# KiCad board Rotonometron_V2.kicad_pcb
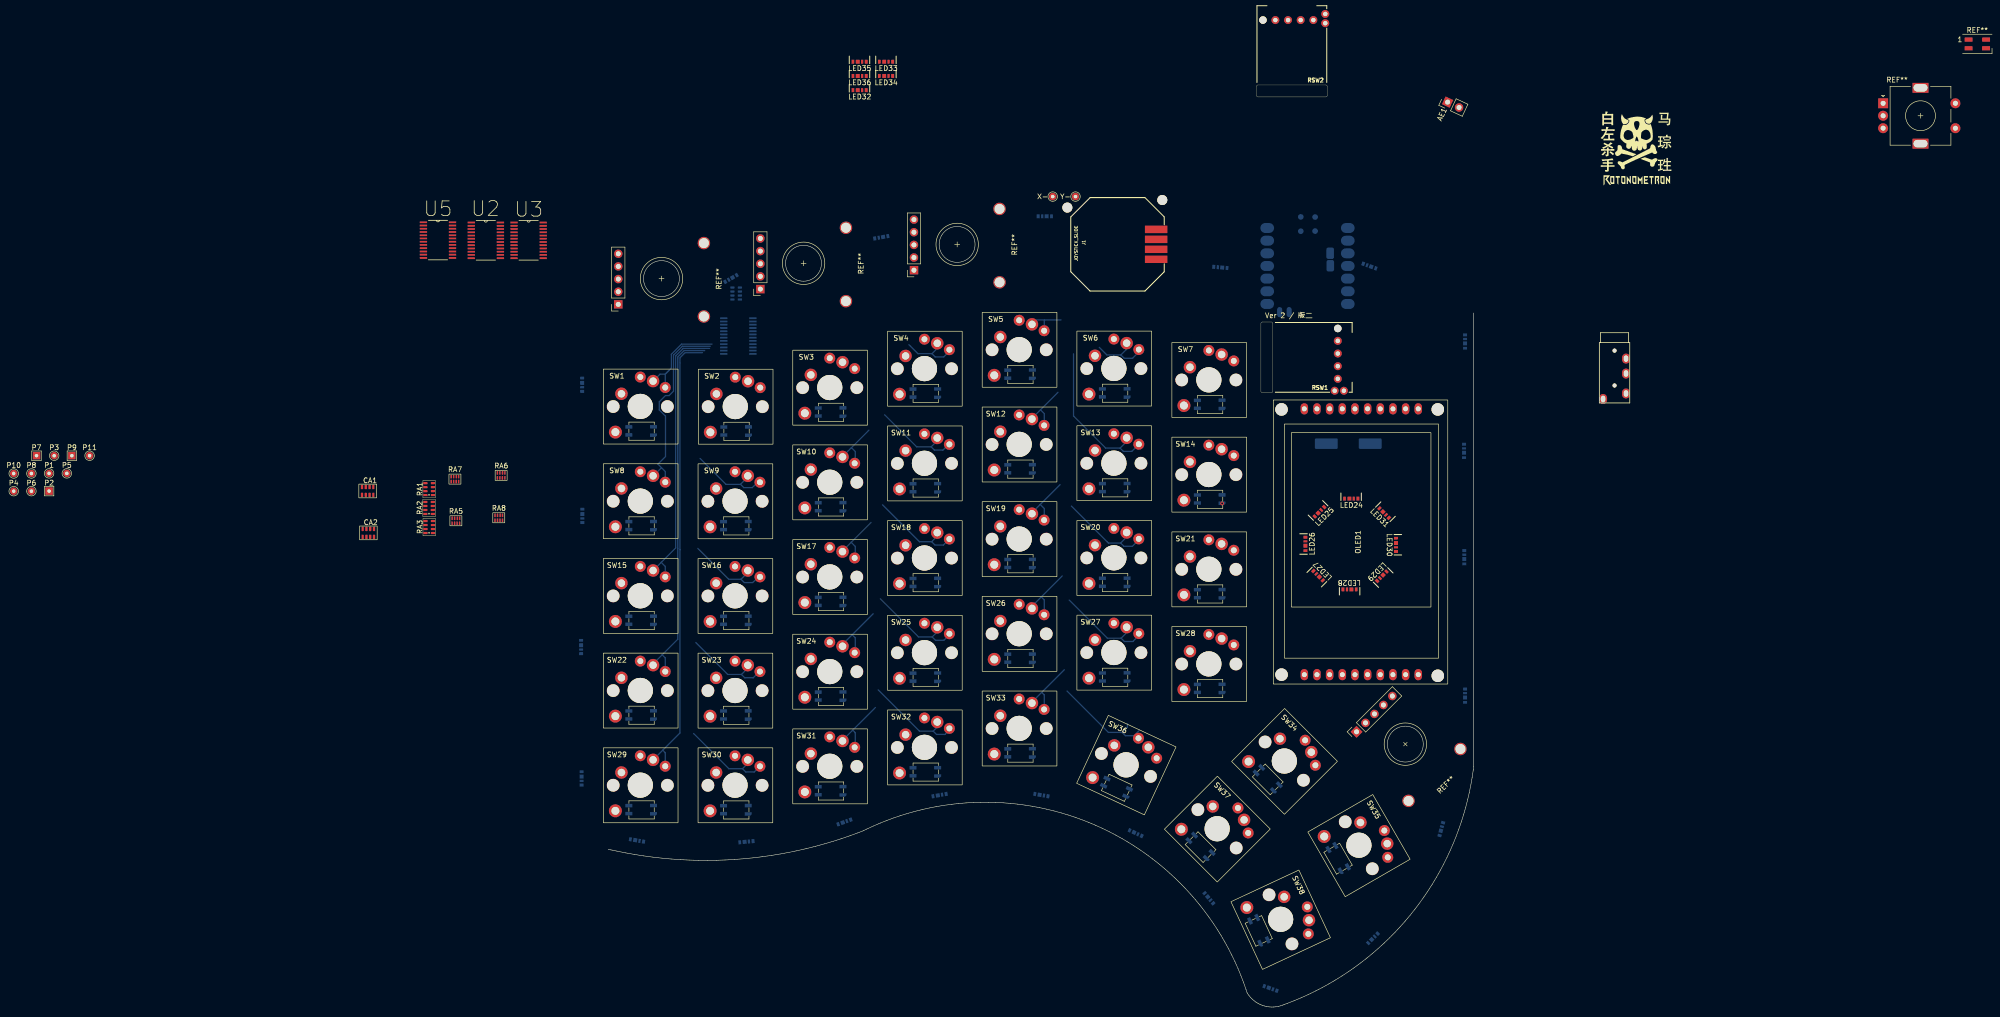
[diagram p0: board, top side]
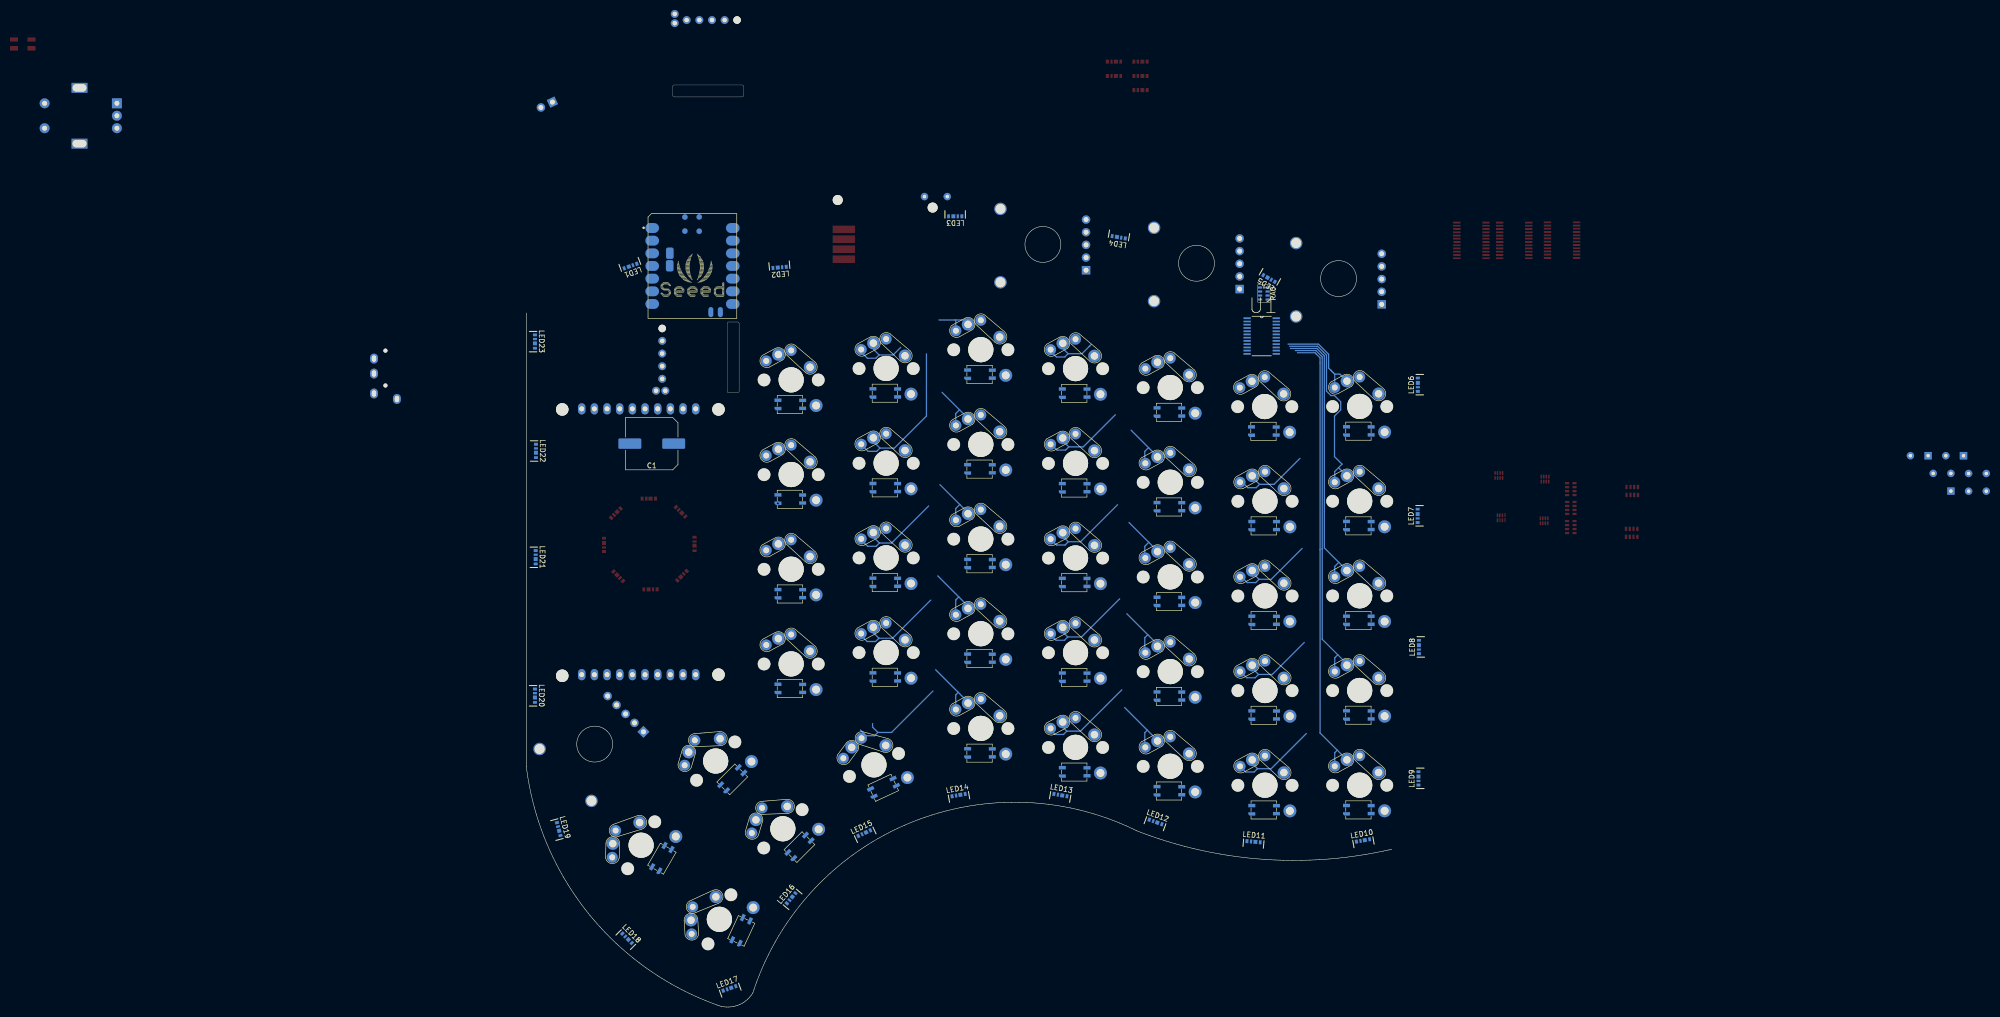
[diagram p1: board, bottom side, seen from below]

Outline 173.62 x 185.03 mm; copper layers: Top, In1.Cu, In2.Cu, Bottom. Coordinates in mm from the lower left corner of the outline.
Outline path: 0,31.65 0.57,31.52 0.86,31.48 1.75,31.28 3.54,30.93 5.35,30.61 7.15,30.32 8.97,30.08 10.79,29.87 12.61,29.71 14.43,29.58 16.26,29.49 18.09,29.44 19.92,29.42 21.75,29.45 23.58,29.51 25.4,29.62 27.23,29.76 29.05,29.94 30.87,30.16 32.68,30.41 34.48,30.71 36.28,31.04 38.07,31.41 39.86,31.82 41.63,32.27 43.4,32.75 45.15,33.27 46.89,33.83 48.62,34.42 50.34,35.05 51.19,35.38 51.86,35.71 53.2,36.33 54.57,36.91 55.94,37.46 57.33,37.97 58.74,38.44 60.15,38.88 61.58,39.28 63.01,39.63 64.46,39.95 65.91,40.23 67.38,40.48 68.84,40.68 70.31,40.84 71.79,40.96 73.27,41.05 74.75,41.09 76.23,41.1 77.71,41.06 79.19,40.98 80.66,40.87 82.14,40.72 83.61,40.52 85.07,40.29 86.52,40.02 87.97,39.7 89.41,39.35 90.84,38.97 92.26,38.54 93.66,38.07 95.06,37.57 96.44,37.03 97.8,36.46 99.15,35.84 100.48,35.19 101.79,34.51 103.09,33.79 104.36,33.04 105.62,32.25 106.85,31.43 108.06,30.58 109.25,29.69 110.41,28.77 111.55,27.82 112.66,26.85 113.74,25.84 114.8,24.8 115.83,23.74 116.83,22.65 117.8,21.53 118.74,20.38 119.65,19.21 120.53,18.02 121.37,16.81 122.19,15.57 122.96,14.31 123.71,13.03 124.42,11.73 125.09,10.41 125.73,9.08 126.34,7.72 126.9,6.36 127.43,4.97 127.93,3.58 128.16,2.87 128.28,2.67 128.55,2.29 128.86,1.92 129.19,1.59 129.54,1.28 129.92,1 130.33,0.75 130.75,0.54 131.18,0.36 131.63,0.21 132.09,0.1 132.56,0.03 133.03,0 133.5,0 133.97,0.05 134.44,0.13 134.89,0.24 135.34,0.4 135.56,0.49 136.28,0.75 137.7,1.31 139.11,1.91 140.51,2.54 141.89,3.21 143.25,3.92 144.59,4.66 145.91,5.44 147.21,6.25 148.49,7.09 149.74,7.97 150.97,8.88 152.18,9.83 153.36,10.8 154.52,11.8 155.65,12.84 156.75,13.9 157.83,15 158.87,16.12 159.89,17.26 160.87,18.44 161.83,19.64 162.75,20.86 163.64,22.11 164.5,23.38 165.32,24.67 166.11,25.98 166.86,27.32 167.58,28.67 168.26,30.04 168.91,31.43 169.52,32.83 170.09,34.26 170.63,35.69 171.13,37.14 171.59,38.6 172.01,40.07 172.39,41.56 172.73,43.05 173.04,44.55 173.3,46.06 173.53,47.58 173.62,48.34 173.62,139.27
Stack: Top 0.035mm / dielectric 1.51mm FR4 er 4.5 / In1.Cu 0.035mm / dielectric 1.51mm FR4 er 4.5 / In2.Cu 0.035mm / dielectric 1.51mm FR4 er 4.5 / Bottom 0.035mm

## Placement (name value [footprint] x y rotation side)
AE1  Antenna_Dipole  [PinHeader_1x02_P2.54mm_Vertical]  168.38 181.59 65 top
C1  C_Polarized_1000uf  [C_Elec_10x10.2]  148.45 113.06 0 bottom
CA1  Cap_Array_2x4  [Capacitor Array 2x4]  -48.24 103.56 0 top
CA2  Cap_Array_2x4  [Capacitor Array 2x4]  -48.12 95.15 0 top
G***  -  [LOGO]  206.28 172.17 0 top
G***#2  -  [LOGO]  104.11 281.46 345 bottom
J1  JOYSTICK_SLIDE  [JOYSTICK-PSP1000]  102.17 153.06 270 top
LED1  SK6812  [Neopixel 2040]  152.45 148.39 160 bottom
LED2  SK6812  [Neopixel 2040]  122.64 148.06 175 bottom
LED3  SK6812  [Neopixel 2040]  87.45 158.3 180 bottom
LED4  SK6812  [Neopixel 2040]  54.71 154.07 190 bottom
LED5  SK6812  [Neopixel 2040]  24.7 145.81 210 bottom
LED6  SK6812  [Neopixel 2040]  -4.85 124.74 270 bottom
LED7  SK6812  [Neopixel 2040]  -4.81 98.43 270 bottom
LED8  SK6812  [Neopixel 2040]  -5.06 72.11 270 bottom
LED9  SK6812  [Neopixel 2040]  -4.96 45.75 270 bottom
LED10  SK6812  [Neopixel 2040]  5.97 33.78 350 bottom
LED11  SK6812  [Neopixel 2040]  27.83 33.56 5 bottom
LED12  SK6812  [Neopixel 2040]  47.39 37.54 20 bottom
LED13  SK6812  [Neopixel 2040]  66.54 42.92 10 bottom
LED14  SK6812  [Neopixel 2040]  87.1 42.87 350 bottom
LED15  SK6812  [Neopixel 2040]  106.09 35.18 335 bottom
LED16  SK6812  [Neopixel 2040]  120.87 21.97 310 bottom
LED17  SK6812  [Neopixel 2040]  133.11 4.04 340 bottom
LED18  SK6812  [Neopixel 2040]  153.23 14.15 45 bottom
LED19  SK6812  [Neopixel 2040]  166.79 35.94 75 bottom
LED20  SK6812  [Neopixel 2040]  171.51 62.61 90 bottom
LED21  SK6812  [Neopixel 2040]  171.35 90.4 90 bottom
LED22  SK6812  [Neopixel 2040]  171.3 111.73 90 bottom
LED23  SK6812  [Neopixel 2040]  171.51 133.68 90 bottom
LED24  SK6812  [Neopixel 2040]  149.18 101.64 0 top
LED25  SK6812  [Neopixel 2040]  143.04 99.22 45 top
LED26  SK6812  [Neopixel 2040]  140.24 93.07 90 top
LED27  SK6812  [Neopixel 2040]  142.57 86.92 135 top
LED28  SK6812  [Neopixel 2040]  148.57 84.19 180 top
LED29  SK6812  [Neopixel 2040]  154.82 86.61 225 top
LED30  SK6812  [Neopixel 2040]  157.65 92.61 270 top
LED31  SK6812  [Neopixel 2040]  155.49 98.75 315 top
LED32  SK6812  [Neopixel 2040]  50.56 183.62 0 top
LED33  SK6812  [Neopixel 2040]  55.86 189.32 0 top
LED34  SK6812  [Neopixel 2040]  55.86 186.47 0 top
LED35  SK6812  [Neopixel 2040]  50.56 189.32 0 top
LED36  SK6812  [Neopixel 2040]  50.56 186.47 0 top
OLED1  OLED_Screen  [Esplora OLED Shield]  150.92 93.32 90 top
P1  Pin_R  [TestPoint_THTPad_D1.5mm_Drill0.7mm]  -112.15 107.09 0 top
P2  Pin_S  [TestPoint_THTPad_1.5x1.5mm_Drill0.7mm]  -112.15 103.54 0 top
P3  Pin_R  [TestPoint_THTPad_D1.5mm_Drill0.7mm]  -111.13 110.64 0 top
P4  Pin_R  [TestPoint_THTPad_D1.5mm_Drill0.7mm]  -119.25 103.52 0 top
P5  Pin_R  [TestPoint_THTPad_D1.5mm_Drill0.7mm]  -108.6 107.09 0 top
P6  Pin_R  [TestPoint_THTPad_D1.5mm_Drill0.7mm]  -115.7 103.52 0 top
P7  Pin_S  [TestPoint_THTPad_1.5x1.5mm_Drill0.7mm]  -114.68 110.64 0 top
P8  Pin_R  [TestPoint_THTPad_D1.5mm_Drill0.7mm]  -115.7 107.07 0 top
P9  Pin_S  [TestPoint_THTPad_1.5x1.5mm_Drill0.7mm]  -107.58 110.64 0 top
P10  Pin_R  [TestPoint_THTPad_D1.5mm_Drill0.7mm]  -119.25 107.07 0 top
P11  Pin_R  [TestPoint_THTPad_D1.5mm_Drill0.7mm]  -104.03 110.64 0 top
RA0  CAT16A_Resistor_Array  [CAT16A-LF]  25.67 143.18 270 bottom
RA1  CAT16A_Resistor_Array  [CAT16A-LF]  -35.91 103.93 90 top
RA2  CAT16A_Resistor_Array  [CAT16A-LF]  -35.92 100.15 90 top
RA3  CAT16A_Resistor_Array  [CAT16A-LF]  -35.9 96.32 90 top
RA5  Resistor_Array  [CAT10A Resistor Array]  -30.55 97.58 0 top
RA6  Resistor_Array  [CAT10A Resistor Array]  -21.47 106.68 0 top
RA7  Resistor_Array  [CAT10A Resistor Array]  -30.74 105.94 0 top
RA8  Resistor_Array  [CAT10A Resistor Array]  -21.95 98.18 0 top
REF**  -  [EC11 Cutout]  69.99 153.04 90 top
REF**#2  -  [EC11 Cutout]  10.68 146.18 90 top
REF**#3  -  [LED_SK6812MINI_PLCC4_3.5x3.5mm_P1.75mm]  274.64 193.27 0 top
REF**#4  -  [RotaryEncoder_Alps_EC11E-Switch_Vertical_H20mm]  255.74 181.36 0 top
REF**#5  -  [EC11 Cutout]  39.18 149.25 90 top
REF**#6  -  [EC11 Cutout]  159.9 52.76 45 top
RSW1  Roller Encoder Switch  [RollerEncoder_Panasonic_EVQWGD001]  140.73 129.87 180 top
RSW2  Roller Encoder Switch  [RollerEncoder_Panasonic_EVQWGD001]  137.64 192.43 270 top
SW1  Heckin_LED_Switch  [xX_Super_Heckin_Valid_MX_CHOC_SK6812MINIE_ONESIDE_KEYSWITCH_UwU_Xx]  6.37 120.63 0 top
SW2  Heckin_LED_Switch  [xX_Super_Heckin_Valid_MX_CHOC_SK6812MINIE_ONESIDE_KEYSWITCH_UwU_Xx]  25.42 120.6 0 top
SW3  Heckin_LED_Switch  [xX_Super_Heckin_Valid_MX_CHOC_SK6812MINIE_ONESIDE_KEYSWITCH_UwU_Xx]  44.37 124.42 0 top
SW4  Heckin_LED_Switch  [xX_Super_Heckin_Valid_MX_CHOC_SK6812MINIE_ONESIDE_KEYSWITCH_UwU_Xx]  63.37 128.22 0 top
SW5  Heckin_LED_Switch  [xX_Super_Heckin_Valid_MX_CHOC_SK6812MINIE_ONESIDE_KEYSWITCH_UwU_Xx]  82.37 132.02 0 top
SW6  Heckin_LED_Switch  [xX_Super_Heckin_Valid_MX_CHOC_SK6812MINIE_ONESIDE_KEYSWITCH_UwU_Xx]  101.36 128.25 0 top
SW7  Heckin_LED_Switch  [xX_Super_Heckin_Valid_MX_CHOC_SK6812MINIE_ONESIDE_KEYSWITCH_UwU_Xx]  120.41 125.96 0 top
SW8  Heckin_LED_Switch  [xX_Super_Heckin_Valid_MX_CHOC_SK6812MINIE_ONESIDE_KEYSWITCH_UwU_Xx]  6.37 101.63 0 top
SW9  Heckin_LED_Switch  [xX_Super_Heckin_Valid_MX_CHOC_SK6812MINIE_ONESIDE_KEYSWITCH_UwU_Xx]  25.37 101.62 0 top
SW10  Heckin_LED_Switch  [xX_Super_Heckin_Valid_MX_CHOC_SK6812MINIE_ONESIDE_KEYSWITCH_UwU_Xx]  44.37 105.42 0 top
SW11  Heckin_LED_Switch  [xX_Super_Heckin_Valid_MX_CHOC_SK6812MINIE_ONESIDE_KEYSWITCH_UwU_Xx]  63.37 109.22 0 top
SW12  Heckin_LED_Switch  [xX_Super_Heckin_Valid_MX_CHOC_SK6812MINIE_ONESIDE_KEYSWITCH_UwU_Xx]  82.37 113.02 0 top
SW13  Heckin_LED_Switch  [xX_Super_Heckin_Valid_MX_CHOC_SK6812MINIE_ONESIDE_KEYSWITCH_UwU_Xx]  101.36 109.25 0 top
SW14  Heckin_LED_Switch  [xX_Super_Heckin_Valid_MX_CHOC_SK6812MINIE_ONESIDE_KEYSWITCH_UwU_Xx]  120.41 106.96 0 top
SW15  Heckin_LED_Switch  [xX_Super_Heckin_Valid_MX_CHOC_SK6812MINIE_ONESIDE_KEYSWITCH_UwU_Xx]  6.37 82.63 0 top
SW16  Heckin_LED_Switch  [xX_Super_Heckin_Valid_MX_CHOC_SK6812MINIE_ONESIDE_KEYSWITCH_UwU_Xx]  25.37 82.62 0 top
SW17  Heckin_LED_Switch  [xX_Super_Heckin_Valid_MX_CHOC_SK6812MINIE_ONESIDE_KEYSWITCH_UwU_Xx]  44.37 86.42 0 top
SW18  Heckin_LED_Switch  [xX_Super_Heckin_Valid_MX_CHOC_SK6812MINIE_ONESIDE_KEYSWITCH_UwU_Xx]  63.37 90.22 0 top
SW19  Heckin_LED_Switch  [xX_Super_Heckin_Valid_MX_CHOC_SK6812MINIE_ONESIDE_KEYSWITCH_UwU_Xx]  82.37 94.02 0 top
SW20  Heckin_LED_Switch  [xX_Super_Heckin_Valid_MX_CHOC_SK6812MINIE_ONESIDE_KEYSWITCH_UwU_Xx]  101.36 90.25 0 top
SW21  Heckin_LED_Switch  [xX_Super_Heckin_Valid_MX_CHOC_SK6812MINIE_ONESIDE_KEYSWITCH_UwU_Xx]  120.41 87.96 0 top
SW22  Heckin_LED_Switch  [xX_Super_Heckin_Valid_MX_CHOC_SK6812MINIE_ONESIDE_KEYSWITCH_UwU_Xx]  6.37 63.63 0 top
SW23  Heckin_LED_Switch  [xX_Super_Heckin_Valid_MX_CHOC_SK6812MINIE_ONESIDE_KEYSWITCH_UwU_Xx]  25.37 63.62 0 top
SW24  Heckin_LED_Switch  [xX_Super_Heckin_Valid_MX_CHOC_SK6812MINIE_ONESIDE_KEYSWITCH_UwU_Xx]  44.37 67.42 0 top
SW25  Heckin_LED_Switch  [xX_Super_Heckin_Valid_MX_CHOC_SK6812MINIE_ONESIDE_KEYSWITCH_UwU_Xx]  63.37 71.22 0 top
SW26  Heckin_LED_Switch  [xX_Super_Heckin_Valid_MX_CHOC_SK6812MINIE_ONESIDE_KEYSWITCH_UwU_Xx]  82.37 75.02 0 top
SW27  Heckin_LED_Switch  [xX_Super_Heckin_Valid_MX_CHOC_SK6812MINIE_ONESIDE_KEYSWITCH_UwU_Xx]  101.36 71.25 0 top
SW28  Heckin_LED_Switch  [xX_Super_Heckin_Valid_MX_CHOC_SK6812MINIE_ONESIDE_KEYSWITCH_UwU_Xx]  120.41 68.96 0 top
SW29  Heckin_LED_Switch  [xX_Super_Heckin_Valid_MX_CHOC_SK6812MINIE_ONESIDE_KEYSWITCH_UwU_Xx]  6.37 44.63 0 top
SW30  Heckin_LED_Switch  [xX_Super_Heckin_Valid_MX_CHOC_SK6812MINIE_ONESIDE_KEYSWITCH_UwU_Xx]  25.37 44.62 0 top
SW31  Heckin_LED_Switch  [xX_Super_Heckin_Valid_MX_CHOC_SK6812MINIE_ONESIDE_KEYSWITCH_UwU_Xx]  44.37 48.42 0 top
SW32  Heckin_LED_Switch  [xX_Super_Heckin_Valid_MX_CHOC_SK6812MINIE_ONESIDE_KEYSWITCH_UwU_Xx]  63.37 52.22 0 top
SW33  Heckin_LED_Switch  [xX_Super_Heckin_Valid_MX_CHOC_SK6812MINIE_ONESIDE_KEYSWITCH_UwU_Xx]  82.37 56.02 0 top
SW34  Heckin_LED_Switch  [xX_Super_Heckin_Valid_MX_CHOC_SK6812MINIE_ONESIDE_KEYSWITCH_UwU_Xx]  135.65 49.49 315 top
SW35  Heckin_LED_Switch  [xX_Super_Heckin_Valid_MX_CHOC_SK6812MINIE_ONESIDE_KEYSWITCH_UwU_Xx]  150.64 32.59 300 top
SW36  Heckin_LED_Switch  [xX_Super_Heckin_Valid_MX_CHOC_SK6812MINIE_ONESIDE_KEYSWITCH_UwU_Xx]  103.85 48.72 335 top
SW37  Heckin_LED_Switch  [xX_Super_Heckin_Valid_MX_CHOC_SK6812MINIE_ONESIDE_KEYSWITCH_UwU_Xx]  122.17 35.9 315 top
SW38  Heckin_LED_Switch  [xX_Super_Heckin_Valid_MX_CHOC_SK6812MINIE_ONESIDE_KEYSWITCH_UwU_Xx]  134.95 17.72 295 top
TRRS1  I2C TRRS  [TRRS-PJ-320A]  201.87 133.32 0 top
U1  PCA9555PW  [SOP65P640X110-24N]  26.1 134.65 180 bottom
U2  PCA9555PW  [SOP65P640X110-24N]  -24.55 153.85 0 top
U3  PCA9555PW  [SOP65P640X110-24N]  -15.96 153.85 0 top
U4  XIAOBLE  [Seeeduino XIAO-MOUDLE14P-2.54-21X17.8MM]  149.19 138.21 180 bottom
U5  PCA9555PW  [SOP65P640X110-24N]  -34.14 153.9 0 top
X-  Pin_R  [TestPoint_THTPad_D1.5mm_Drill0.7mm]  89.17 162.64 0 top
Y-  Pin_R  [TestPoint_THTPad_D1.5mm_Drill0.7mm]  93.74 162.64 0 top

## Library data of the parts
J1 = -: Field4: COM-09426
RSW1 RSW2 = -: Field4: EVQWGD001

## Footprints (pads in the part's own frame, mm; a bottom-side part is the same pattern mirrored in y, then rotated)
C_Elec_10x10.2
  rrect 4.6x2.1 smd: 1(-4.4,0) 2(4.4,0)
Capacitor Array 2x4
  rrect 0.46x0.89 smd: 1(-1.14,-0.8) 2(-0.38,-0.8) 3(0.38,-0.8) 4(1.14,-0.8) 5(-1.14,0.8) 6(-0.38,0.8) 7(0.38,0.8) 8(1.14,0.8)
CAT10A Resistor Array
  rrect 0.3x0.75 smd: 1(-0.75,-0.5) 2(-0.75,0.5) 3(-0.25,-0.5) 4(-0.25,0.5) 5(0.25,-0.5) 6(0.275,0.5) 7(0.75,-0.5) 8(0.75,0.5)
CAT16A-LF
  rrect 0.45x0.85 smd: 1(-1.2,-0.75) 2(-0.4,-0.75) 3(0.4,-0.75) 4(1.2,-0.75) 5(1.2,0.75) 6(0.4,0.75) 7(-0.4,0.75) 8(-1.2,0.75)
EC11 Cutout
  round 2.5 hole 2 unplated: (-7.6,-8.512) (7.125,-8.512)
  rect 1.7x1.7 hole 1: 1(-5.175,8.658)
  oval 1.7x1.7 hole 1: 2(-2.635,8.658) 3(-0.095,8.658) 4(2.445,8.658) 5(4.985,8.658)
Esplora OLED Shield
  round 2.5 hole 2.5 unplated: (-26.848,-15.494) (-26.619,15.85) (26.602,15.85) (26.602,-15.494)
  oval 2.262x1.508 hole 1: 1(-26.619,11.278) 2(-26.619,8.738) 3(-26.619,6.198) 4(-26.619,3.658) 5(-26.619,1.118) 6(-26.619,-1.422) 7(-26.619,-3.962) 8(-26.619,-6.502) 9(-26.619,-9.042) 10(-26.619,-11.582) 11(26.721,11.278) 12(26.721,8.738) 13(26.721,6.198) 14(26.721,3.658) 15(26.721,1.118) 16(26.721,-1.422) 17(26.721,-3.962) 18(26.721,-6.502) 19(26.721,-9.042) 20(26.721,-11.582)
JOYSTICK-PSP1000
  round 1.999 hole 1.999 unplated: (-8.89,8.984) (-7.374,-10.058)
  rect 1.499x4.498 smd: GND(-3,7.75) VCC(0.998,7.75) X(3,7.75) Y(-0.998,7.75)
LED_SK6812MINI_PLCC4_3.5x3.5mm_P1.75mm
  rect 1.6x0.85 smd: 1(-1.75,0.875) 2(-1.75,-0.875) 3(1.75,-0.875) 4(1.75,0.875)
Neopixel 2040
  rect 0.55x0.8 smd: 1(-1.475,0.375)
  rect 0.8x0.8 smd: 2(-0.5,0.375)
  rect 0.45x0.8 smd: 3(0.375,0.375)
  rect 0.6x0.8 smd: 4(1.2,0.375)
PinHeader_1x02_P2.54mm_Vertical
  rect 1.7x1.7 hole 1: 1(0,0)
  oval 1.7x1.7 hole 1: 2(0,-2.54)
RollerEncoder_Panasonic_EVQWGD001
  round 1.5 hole 1.5 unplated: (-5.625,-6.3)
  round 1.6 hole 0.9: A(-5.625,3.81) B(-5.625,1.27) C(-5.625,-1.27) D(-5.625,-3.81) S1(-6.85,6.2) S2(-5,6.2)
RotaryEncoder_Alps_EC11E-Switch_Vertical_H20mm
  rect 2x2 hole 1: A(0,0)
  round 2 hole 1: B(0,-5) C(0,-2.5) S1(14.5,-5) S2(14.5,0)
  rect 3.2x2 hole 2.8x1.5: MP(7.5,3.1) MP(7.5,-8.1)
Seeeduino XIAO-MOUDLE14P-2.54-21X17.8MM
  oval 2.748x1.999 smd: 1(0.833,18.118) 2(0.833,15.578) 3(0.833,13.038) 4(0.833,10.498) 5(0.833,7.958) 6(0.833,5.418) 7(0.833,2.878) 8(16.998,2.878) 9(16.998,5.418) 10(16.998,7.958) 11(16.998,10.498) 12(16.998,13.038) 13(16.998,15.578) 14(16.998,18.118)
  oval 1.016x2.032 smd: 15(12.598,1.245) 16(14.503,1.245)
  round 1.143 smd: 17(7.391,20.32) 18(10.262,20.345) 19(7.391,17.501) 20(10.262,17.475)
  rrect 1.524x2.286 smd: 21(4.369,13.056) 22(4.343,10.541)
SOP65P640X110-24N
  rect 1.473x0.356 smd: 1(-2.921,3.581) 2(-2.921,2.921) 3(-2.921,2.286) 4(-2.921,1.626) 5(-2.921,0.965) 6(-2.921,0.33) 7(-2.921,-0.33) 8(-2.921,-0.965) 9(-2.921,-1.626) 10(-2.921,-2.286) 11(-2.921,-2.921) 12(-2.921,-3.581) 13(2.921,-3.581) 14(2.921,-2.921) 15(2.921,-2.286) 16(2.921,-1.626) 17(2.921,-0.965) 18(2.921,-0.33) 19(2.921,0.33) 20(2.921,0.965) 21(2.921,1.626) 22(2.921,2.286) 23(2.921,2.921) 24(2.921,3.581)
TestPoint_THTPad_1.5x1.5mm_Drill0.7mm
  rect 1.5x1.5 hole 0.7: 1(0,0)
TestPoint_THTPad_D1.5mm_Drill0.7mm
  round 1.5 hole 0.7: 1(0,0)
TRRS-PJ-320A
  round 0.8 hole 0.8 unplated: (0,-1.6) (0,-8.6)
  oval 1.6x2 hole 0.9x1.3: R1(2.3,-6.2) R2(2.3,-3.2) S(-2.3,-11.3) T(2.3,-10.2)
xX_Super_Heckin_Valid_MX_CHOC_SK6812MINIE_ONESIDE_KEYSWITCH_UwU_Xx
  round 2.6 hole 2.5 unplated: (-5.361,-0.125) (5.51,-0.125)
  round 5.05 hole 5.05 unplated: (0.078,-0.103)
  round 2.5 hole 1.5: 1(-3.71,2.44) 2(2.64,4.98)
  round 2.2 hole 1.2: 1(0.078,5.797) 2(5.078,3.697)
  round 2.6 hole 1.6: 3(-4.922,-5.253)
  rect 1.4x0.7 smd far side: 5v(-2.225,-4.213) DIN(2.725,-4.187) DOUT(-2.225,-5.815)
  rrect 1.4x0.7 smd far side: GND(2.725,-5.864)

## Nets
GND: C1.2 CA1.1 CA2.1 J1.GND LED1.1 LED2.1 LED3.1 LED4.1 LED5.1 LED6.1 LED7.1 LED8.1 LED9.1 LED10.1 LED11.1 LED12.1 LED13.1 LED14.1 LED15.1 LED16.1 LED17.1 LED18.1 LED19.1 LED20.1 LED21.1 LED22.1 LED23.1 LED24.1 LED25.1 LED26.1 LED27.1 LED28.1 LED29.1 LED30.1 LED31.1 LED32.1 LED33.1 LED34.1 LED35.1 LED36.1 OLED1.10 RSW1.C RSW2.C SW1.1 SW1.GND SW2.1 SW2.GND SW3.1 SW3.GND SW4.1 SW4.GND SW5.1 SW5.GND SW6.1 SW6.GND SW7.1 SW7.GND SW8.1 SW9.1 SW10.1 SW11.1 SW12.1 SW13.1 SW14.1 SW15.1 SW15.GND SW16.1 SW16.GND SW17.1 SW17.GND SW18.1 SW18.GND SW19.1 SW19.GND SW20.1 SW20.GND SW21.1 SW21.GND SW22.1 SW22.GND SW23.1 SW23.GND SW24.1 SW24.GND SW25.1 SW25.GND SW26.1 SW26.GND SW27.1 SW27.GND SW28.1 SW28.GND SW29.1 SW29.GND SW30.1 SW30.GND SW31.1 SW31.GND SW32.1 SW32.GND SW33.1 SW33.GND SW34.1 SW34.GND SW35.1 SW35.GND SW36.1 SW36.GND SW37.1 SW37.GND SW38.1 SW38.GND TRRS1.S U4.13 U4.20
BL: OLED1.9
BUSPWR: C1.1 J1.VCC LED1.3 LED2.3 LED3.3 LED4.3 LED5.3 LED6.3 LED7.3 LED8.3 LED9.3 LED10.3 LED11.3 LED12.3 LED13.3 LED14.3 LED15.3 LED16.3 LED17.3 LED18.3 LED19.3 LED20.3 LED21.3 LED22.3 LED23.3 LED24.3 LED25.3 LED26.3 LED27.3 LED28.3 LED29.3 LED30.3 LED31.3 LED32.3 LED33.3 LED34.3 LED35.3 LED36.3 OLED1.1 RA5.1 RA5.2 RA6.1 RA6.2 RA7.1 RA7.2 RA8.1 RA8.2 RSW1.S2 RSW2.S2 SW1.5v SW2.5v SW3.5v SW4.5v SW5.5v SW6.5v SW7.5v SW8.5v SW9.5v SW10.5v SW11.5v SW12.5v SW13.5v SW14.5v SW15.5v SW16.5v SW17.5v SW18.5v SW19.5v SW20.5v SW21.5v SW22.5v SW23.5v SW24.5v SW25.5v SW26.5v SW27.5v SW28.5v SW29.5v SW30.5v SW31.5v SW32.5v SW33.5v SW34.5v SW35.5v SW36.5v SW37.5v SW38.5v TRRS1.T U4.14
CS-LD: OLED1.5
CS-SD: OLED1.6
D/C-LD: OLED1.7 U4.7
Int 1: U4.3
Int 2: U4.4
Joy X: J1.X U4.1 X-.1
Joy Y: J1.Y U4.2 Y-.1
LED control: SW1.DIN U4.8
LEDOUT: LED31.4
MISO: OLED1.2 U4.10
MOSI: OLED1.4 U4.11
OLED RST: OLED1.8
Rot 0 A: CA2.2
Rot 0 G: RA0.2
Rot 1 G: RA1.2
Rot 2 A: CA1.2
Rot 2 G: RA2.2
Rot 3 G: RA3.2
Rot 4 A: RSW1.A
Rot 4 B: RSW1.B
Rot 5 A: RSW2.A
Rot 5 B: RSW2.B
RSw 4: RSW1.S1
RSw 5: RSW2.S1
SCK: OLED1.3 U4.9
SCL: TRRS1.R2 U1.22 U2.22 U3.22 U4.6 U5.22
SDA: TRRS1.R1 U1.23 U2.23 U3.23 U4.5 U5.23
Sw 1: SW1.2
Sw 2: SW2.2
Sw 3: SW3.2
Sw 4: SW4.2
Sw 5: SW5.2
Sw 6: SW6.2
Sw 7: SW7.2
Sw 8: SW8.2
Sw 9: SW9.2
Sw 10: SW10.2
Sw 11: SW11.2
Sw 12: SW12.2
Sw 13: SW13.2
Sw 14: SW14.2
Sw 15: SW15.2
Sw 16: SW16.2
Sw 17: SW17.2
Sw 18: SW18.2
Sw 19: SW19.2
Sw 20: SW20.2
Sw 21: SW21.2
Sw 22: SW22.2
Sw 23: SW23.2
Sw 24: SW24.2
Sw 25: SW25.2
Sw 26: SW26.2
Sw 27: SW27.2
Sw 28: SW28.2
Sw 29: SW29.2
Sw 30: SW30.2
Sw 31: SW31.2
Sw 32: SW32.2
Sw 33: SW33.2
Sw 34: SW34.2
Sw 35: SW35.2
Sw 36: SW37.2
Sw 37: SW36.2
Sw 38: SW38.2
SWCLK: U4.18
SWDIO: U4.17
Net-(AE1-Pad1): AE1.1 U4.16
Net-(AE1-Pad2): AE1.2 U4.15
Net-(LED1-Pad2): LED1.2 SW38.DOUT
Net-(LED1-Pad4): LED1.4 LED2.2
Net-(LED2-Pad4): LED2.4 LED3.2
Net-(LED3-Pad4): LED3.4 LED4.2
Net-(LED4-Pad4): LED4.4 LED5.2
Net-(LED5-Pad4): LED5.4 LED6.2
Net-(LED6-Pad4): LED6.4 LED7.2
Net-(LED7-Pad4): LED7.4 LED8.2
Net-(LED8-Pad4): LED8.4 LED9.2
Net-(LED10-Pad2): LED9.4 LED10.2
Net-(LED10-Pad4): LED10.4 LED11.2
Net-(LED11-Pad4): LED11.4 LED12.2
Net-(LED12-Pad4): LED12.4 LED13.2
Net-(LED13-Pad4): LED13.4 LED14.2
Net-(LED14-Pad4): LED14.4 LED15.2
Net-(LED15-Pad4): LED15.4 LED16.2
Net-(LED16-Pad4): LED16.4 LED17.2
Net-(LED17-Pad4): LED17.4 LED18.2
Net-(LED18-Pad4): LED18.4 LED19.2
Net-(LED19-Pad4): LED19.4 LED20.2
Net-(LED20-Pad4): LED20.4 LED21.2
Net-(LED21-Pad4): LED21.4 LED22.2
Net-(LED22-Pad4): LED22.4 LED23.2
Net-(LED23-Pad4): LED23.4 LED24.2
Net-(LED24-Pad4): LED24.4 LED25.2
Net-(LED25-Pad4): LED25.4 LED26.2
Net-(LED26-Pad4): LED26.4 LED27.2
Net-(LED27-Pad4): LED27.4 LED28.2
Net-(LED28-Pad4): LED28.4 LED29.2
Net-(LED29-Pad4): LED29.4 LED30.2
Net-(LED30-Pad4): LED30.4 LED32.2
Net-(LED31-Pad2): LED31.2 LED36.4
Net-(LED32-Pad4): LED32.4 LED33.2
Net-(LED33-Pad4): LED33.4 LED34.2
Net-(LED34-Pad4): LED34.4 LED35.2
Net-(LED35-Pad4): LED35.4 LED36.2
Net-(RA0-Pad1)_1: RA0.1
Net-(RA1-Pad1)_1: RA1.1
Net-(RA2-Pad1)_1: RA2.1
Net-(RA3-Pad1)_1: RA3.1
Net-(SW1-PadDOUT): SW1.DOUT SW8.DIN
Net-(SW2-PadDIN): SW2.DIN SW9.DOUT
Net-(SW2-PadDOUT): SW2.DOUT SW3.DIN
Net-(SW4-PadDOUT): SW4.DOUT SW5.DIN
Net-(SW6-PadDOUT): SW6.DOUT SW7.DIN
Net-(SW10-PadDIN): SW3.DOUT SW10.DIN
Net-(SW10-PadDOUT): SW10.DOUT SW17.DIN
Net-(SW11-PadDIN): SW11.DIN SW18.DOUT
Net-(SW11-PadDOUT): SW4.DIN SW11.DOUT
Net-(SW12-PadDIN): SW5.DOUT SW12.DIN
Net-(SW12-PadDOUT): SW12.DOUT SW19.DIN
Net-(SW13-PadDIN): SW13.DIN SW20.DOUT
Net-(SW13-PadDOUT): SW6.DIN SW13.DOUT
Net-(SW14-PadDIN): SW7.DOUT SW14.DIN
Net-(SW14-PadDOUT): SW14.DOUT SW21.DIN
Net-(SW15-PadDIN): SW8.DOUT SW15.DIN
Net-(SW15-PadDOUT): SW15.DOUT SW22.DIN
Net-(SW16-PadDIN): SW16.DIN SW23.DOUT
Net-(SW16-PadDOUT): SW9.DIN SW16.DOUT
Net-(SW17-PadDOUT): SW17.DOUT SW24.DIN
Net-(SW18-PadDIN): SW18.DIN SW25.DOUT
Net-(SW19-PadDOUT): SW19.DOUT SW26.DIN
Net-(SW20-PadDIN): SW20.DIN SW27.DOUT
Net-(SW21-PadDOUT): SW21.DOUT SW28.DIN
Net-(SW22-PadDOUT): SW22.DOUT SW29.DIN
Net-(SW23-PadDIN): SW23.DIN SW30.DOUT
Net-(SW24-PadDOUT): SW24.DOUT SW31.DIN
Net-(SW25-PadDIN): SW25.DIN SW32.DOUT
Net-(SW26-PadDOUT): SW26.DOUT SW33.DIN
Net-(SW27-PadDIN): SW27.DIN SW37.DOUT
Net-(SW28-PadDOUT): SW28.DOUT SW36.DIN
Net-(SW29-PadDOUT): SW29.DOUT SW30.DIN
Net-(SW31-PadDOUT): SW31.DOUT SW32.DIN
Net-(SW33-PadDOUT): SW33.DOUT SW37.DIN
Net-(SW34-PadDIN): SW34.DIN SW36.DOUT
Net-(SW34-PadDOUT): SW34.DOUT SW35.DIN
Net-(SW35-PadDOUT): SW35.DOUT SW38.DIN

Pads without a net: CA1 3 4 5 6 7 8; CA2 3 4 5 6 7 8; OLED1 11 12 13 14 15 16 17 18 19 20; P1 1; P2 1; P3 1; P4 1; P5 1; P6 1; P7 1; P8 1; P9 1; P10 1; P11 1; RA0 3 4 5 6 7 8; RA1 3 4 5 6 7 8; RA2 3 4 5 6 7 8; RA3 3 4 5 6 7 8; RA5 3 4 5 6 7 8; RA6 3 4 5 6 7 8; RA7 3 4 5 6 7 8; RA8 3 4 5 6 7 8; REF** 1 2 3 4 5; REF**#2 1 2 3 4 5; REF**#3 1 2 3 4; REF**#4 A B C MP S1 S2; REF**#5 1 2 3 4 5; REF**#6 1 2 3 4 5; RSW1 D; RSW2 D; SW1 3; SW2 3; SW3 3; SW4 3; SW5 3; SW6 3; SW7 3; SW8 3 GND; SW9 3 GND; SW10 3 GND; SW11 3 GND; SW12 3 GND; SW13 3 GND; SW14 3 GND; SW15 3; SW16 3; SW17 3; SW18 3; SW19 3; SW20 3; SW21 3; SW22 3; SW23 3; SW24 3; SW25 3; SW26 3; SW27 3; SW28 3; SW29 3; SW30 3; SW31 3; SW32 3; SW33 3; SW34 3; SW35 3; SW36 3; SW37 3; SW38 3; U1 1 2 3 4 5 6 7 8 9 10 11 12 13 14 15 16 17 18 19 20 21 24; U2 1 2 3 4 5 6 7 8 9 10 11 12 13 14 15 16 17 18 19 20 21 24; U3 1 2 3 4 5 6 7 8 9 10 11 12 13 14 15 16 17 18 19 20 21 24; U4 12 19 21 22; U5 1 2 3 4 5 6 7 8 9 10 11 12 13 14 15 16 17 18 19 20 21 24

## Via types
v1: diameter 0.8, hole 0.4, Top to Bottom, 1 via

## Routing (per net, layer and track width the routed paths; a pad name or vN(x,y) marks a point on that pad's centre or on a via; arc(x,y) is an arc through that point)
GND: length 20.9
  Bottom w0.25: 106.59,55.59 105.45,54.45 103.75,54.45 103.09,55.11 ; 92.06,63.4 100.35,55.11 103.09,55.11 ; 103.09,55.11 104.16,56.17 104.16,56.87
Sw 1: length 20.3
  Bottom w0.25: 12.23,127.79 12.67,128.23 12.67,131 14.7,133.02 20.82,133.02 ; 12.23,127.79 11.44,127 11.44,124.32 ; 12.23,127.79 11.45,127 10.4,127 SW1.2
Sw 4: length 11.9
  Bottom w0.25: 66.01,132.88 66.01,132.18 64.94,131.11 ; 64.94,131.11 62.14,131.11 60.68,132.57 ; 64.94,131.11 65.6,130.45 67.3,130.45 68.44,131.6 ; 60.33,132.92 60.68,132.57 ; 60.68,132.57 60.62,132.63
Sw 5: length 8.1
  Bottom w0.25: 87.47,135.94 87.47,137.77 87.58,137.88 ; 87.58,137.88 90.83,137.88 ; 87.58,137.88 85.69,137.88 85.04,137.22
Sw 6: length 11.4
  Bottom w0.25: 102.84,130.86 103.5,130.2 105.2,130.2 106.34,131.34 ; 102.84,130.86 103.9,131.92 103.9,132.63 ; 102.84,130.86 100.03,130.86 98.52,132.37
Sw 7: length 0.9
  Bottom w0.25: 123.54,131.91 122.88,131.25
Sw 8: length 39.3
  Bottom w0.25: 20.49,132.59 14.88,132.59 13.1,130.82 13.1,123.6 12.21,122.71 11.5,122.71 10.25,121.46 10.25,119.83 11.5,118.58 11.5,110.46 9.97,108.94 10.68,108.23 ; 10.68,108.23 11.44,107.47 11.44,105.32 ; 10.68,108.23 9.06,106.61 SW8.2
Sw 9: length 16.7
  Bottom w0.25: 18.42,110.09 23.63,104.89 26.53,104.89 ; 26.53,104.89 27.6,105.95 27.6,106.65 ; 26.53,104.89 27.2,104.23 28.89,104.23 30.04,105.37
Sw 10: length 10.5
  Bottom w0.25: 49.55,109.35 49.55,111.49 48.79,112.25 ; 47.12,110.63 47.17,110.63 48.79,112.25 ; 48.79,112.25 52.3,115.76
Sw 11: length 18.5
  Bottom w0.25: 68.29,112.9 67.15,111.76 65.45,111.76 64.79,112.42 ; 65.85,114.19 65.85,113.48 64.79,112.42 ; 64.79,112.42 61.88,112.42 55.45,118.85
Sw 12: length 10.5
  Bottom w0.25: 86.71,119.84 85.09,118.22 85.04,118.22 ; 86.71,119.84 90.22,123.35 ; 86.71,119.84 87.47,119.08 87.47,116.94
Sw 13: length 30.9
  Bottom w0.25: 106.19,112.65 105.04,111.5 103.35,111.5 102.68,112.16 ; 103.75,113.93 103.75,113.23 102.68,112.16 ; 102.68,112.16 99.78,112.16 93.35,118.6 93.35,131.07
Sw 15: length 55.6
  Bottom w0.25: SW15.2 11.44,88.42 10.63,89.23 ; 10.63,89.23 13.53,92.13 13.53,130.64 15.05,132.16 20.33,132.16 ; 10.63,89.23 SW15.2
Sw 16: length 17.7
  Bottom w0.25: 30.14,86.32 28.99,85.18 27.3,85.18 26.64,85.84 ; 26.64,85.84 27.7,86.9 27.7,87.6 ; 26.64,85.84 24.19,85.84 18,92.03
Sw 17: length 11.2
  Bottom w0.25: 48.74,93.25 52.73,97.24 ; 48.74,93.25 49.55,92.44 49.55,90.35 ; 48.74,93.25 47.12,91.63
Sw 18: length 19.4
  Bottom w0.25: 64.89,93.37 65.96,94.43 65.96,95.14 ; 64.89,93.37 65.55,92.71 67.25,92.71 68.39,93.85 ; 64.89,93.37 62.44,93.37 55.02,100.79
Sw 19: length 11.2
  Bottom w0.25: 87.47,97.94 87.47,100.03 86.66,100.85 ; 86.66,100.85 85.04,99.22 ; 86.66,100.85 90.65,104.83
Sw 20: length 19.4
  Bottom w0.25: 103.85,94.88 103.85,94.18 102.79,93.11 ; 102.79,93.11 100.34,93.11 92.92,100.53 ; 102.79,93.11 103.45,92.45 105.14,92.45 106.29,93.6
Sw 22: length 73.5
  Bottom w0.25: SW22.2 9.01,68.86 10.84,70.69 ; SW22.2 11.44,70.08 10.84,70.69 ; 10.84,70.69 13.96,73.81 13.96,91.96 13.96,130.46 15.23,131.73 19.36,131.73
Sw 23: length 18.3
  Bottom w0.25: 30.24,67.22 29.1,66.08 27.4,66.08 26.74,66.74 ; 26.74,66.74 27.8,67.8 27.8,68.5 ; 26.74,66.74 23.98,66.74 17.57,73.15
Sw 24: length 12.4
  Bottom w0.25: 48.95,74.71 49.55,74.1 49.55,71.35 ; 48.95,74.71 53.16,78.92 ; 48.95,74.71 47.12,72.88 47.12,72.63
Sw 25: length 20
  Bottom w0.25: 64.99,74.27 62.24,74.27 54.59,81.91 ; 64.99,74.27 65.65,73.61 67.35,73.61 68.49,74.75 ; 64.99,74.27 66.06,75.33 66.06,76.04
Sw 26: length 12.4
  Bottom w0.25: 86.87,82.3 85.04,80.47 85.04,80.22 ; 86.87,82.3 87.47,81.7 87.47,78.94 ; 86.87,82.3 91.08,86.51
Sw 27: length 20
  Bottom w0.25: 103.95,75.78 103.95,75.08 102.89,74.01 ; 102.89,74.01 100.13,74.01 92.49,81.66 ; 102.89,74.01 103.55,73.35 105.25,73.35 106.39,74.5
Sw 29: length 91.3
  Bottom w0.25: 10.94,51.54 14.39,54.99 14.39,91.78 14.39,130.29 15.41,131.3 18.91,131.3 ; 10.94,51.54 SW29.2 ; 10.94,51.54 11.44,51.03 SW29.2
Sw 30: length 19.2
  Bottom w0.25: 26.94,47.83 24.2,47.83 17.14,54.89 ; 26.94,47.83 27.6,47.17 29.3,47.17 SW30.2 ; 26.94,47.83 28.01,48.89 SW30.2
Sw 31: length 12.6
  Bottom w0.25: 47.12,53.63 49.05,55.56 ; 49.05,55.56 49.55,55.05 49.55,52.35 ; 49.05,55.56 53.59,60.1
Sw 32: length 20.9
  Bottom w0.25: 65.19,55.36 65.85,54.7 67.55,54.7 68.7,55.84 ; 65.19,55.36 62.45,55.36 54.16,63.65 ; 65.19,55.36 66.26,56.43 66.26,57.13
Sw 33: length 12.6
  Bottom w0.25: 86.97,63.15 91.51,67.69 ; 86.97,63.15 85.04,61.22 ; 86.97,63.15 87.47,62.65 87.47,59.94
unconnected-(SW14-PadGND): length 0
  Bottom w0.25: v1(123.16,101.07) 123.14,101.09 SW14.GND

## Text on the board
F.Silkscreen: Ver 2 / 版二
